# KiCad board kicad_chiffchaff.kicad_pcb
title: Chiffchaff; date: 2024-09-07; rev: v0.1; company: apfel
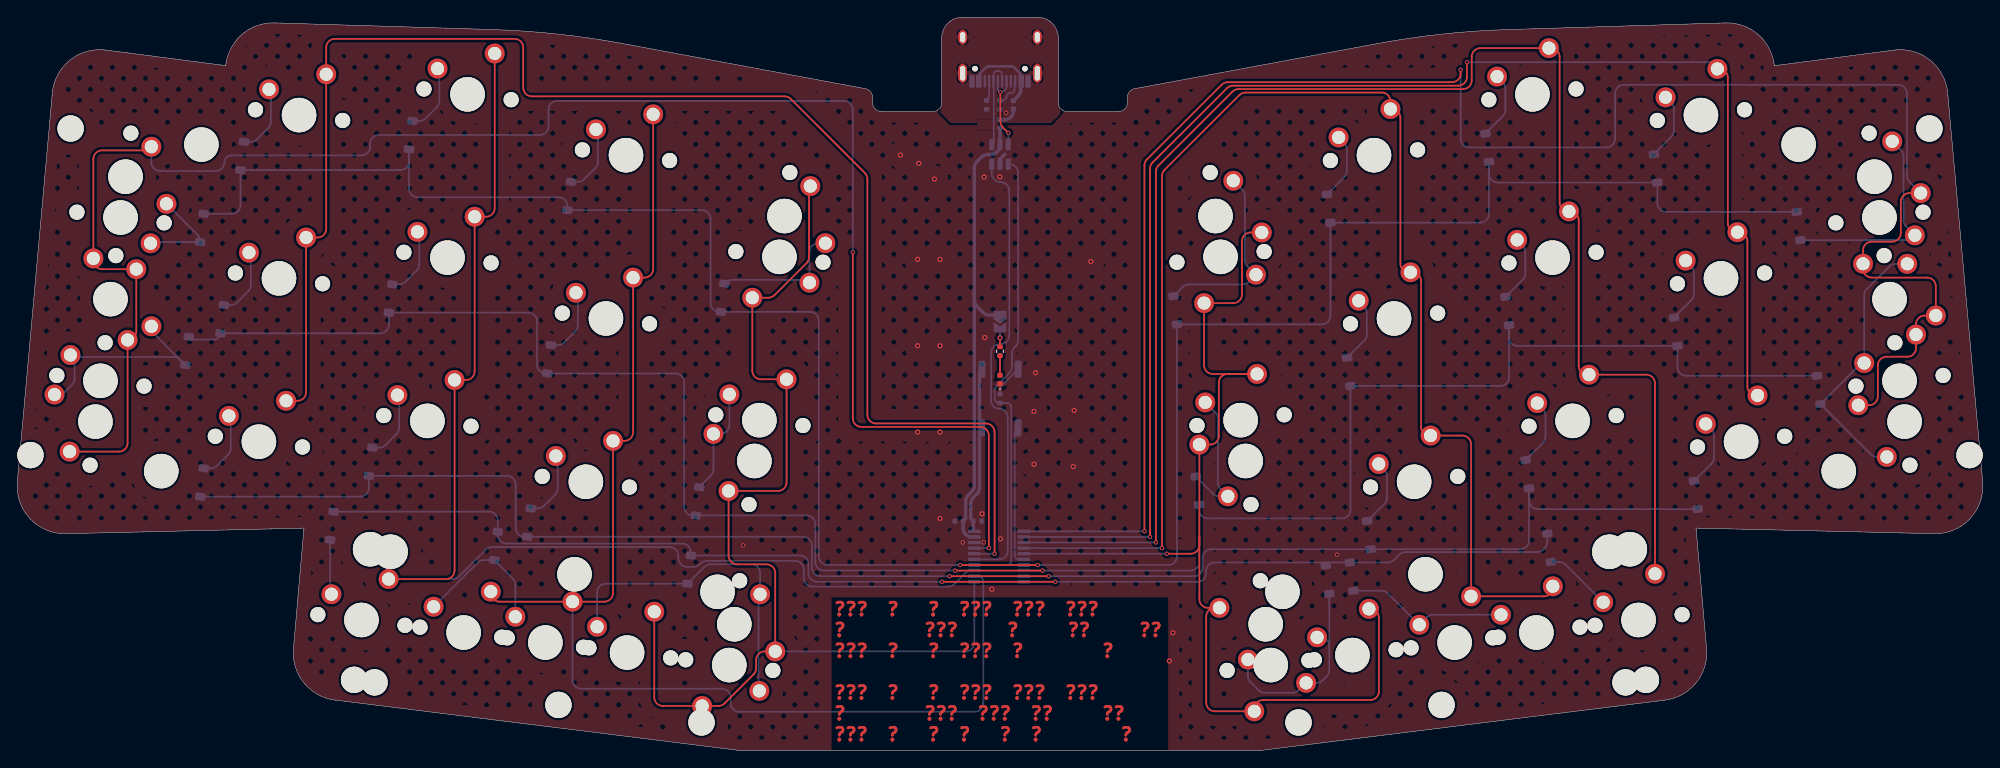
[diagram p0: board, top side]
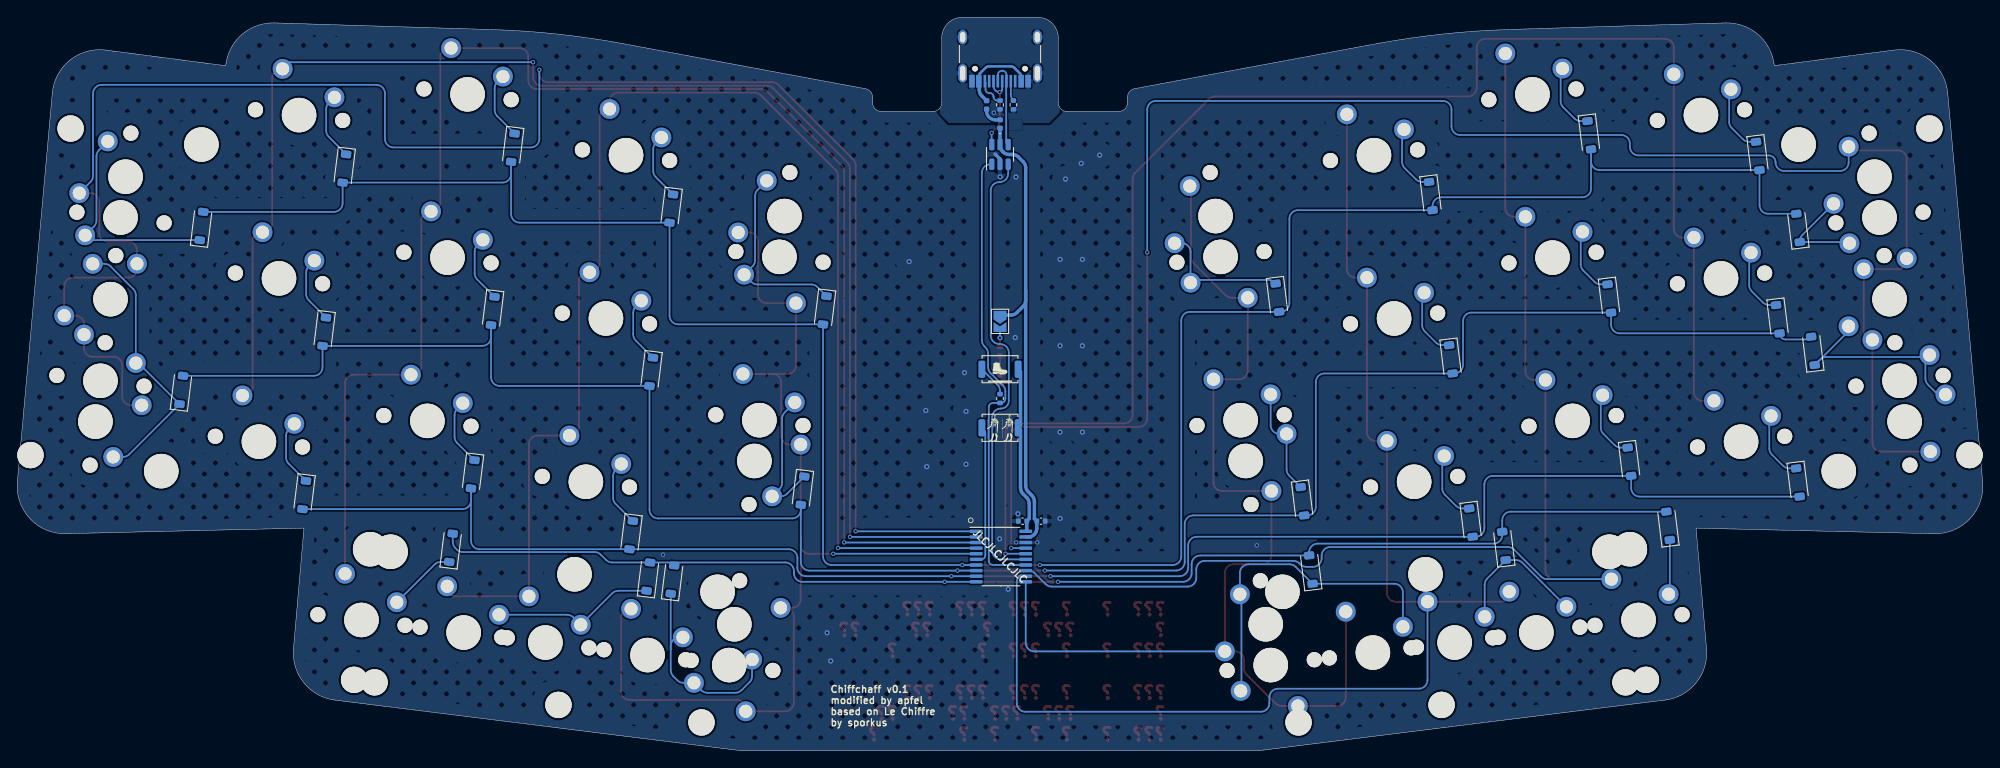
[diagram p1: board, bottom side, seen from below]

Outline 227.31 x 84.94 mm; copper layers: Top, Bottom. Coordinates in mm from the lower left corner of the outline.
Outline path: 70.07,81.88 arc(62.5,82.99) 54.86,83.51 29.74,84.28 arc(26.1,83.05) 24.16,79.72 24.09,79.33 10.24,81.14 arc(6.08,79.98) 4.05,76.18 0,31.12 arc(1.46,26.87) 5.61,25.13 33.15,25.78 31.94,11.8 arc(33.14,7.86) 36.74,5.86 83.78,0 113.65,0 143.53,0 190.57,5.86 arc(194.17,7.86) 195.37,11.8 194.16,25.78 221.7,25.13 arc(225.85,26.87) 227.31,31.12 223.26,76.18 arc(221.22,79.98) 217.07,81.14 203.22,79.33 203.15,79.72 arc(201.21,83.05) 197.56,84.28 172.45,83.51 arc(164.81,82.99) 157.23,81.88 ; 70.08,81.88 98.1,76.66 arc(98.68,76.32) 98.91,75.68 98.91,75.03 arc(99.21,74.32) 99.91,74.03 105.91,74.03 arc(106.62,74.32) 106.91,75.03 106.91,82.54 arc(107.62,84.23) 109.31,84.94 117.99,84.94 arc(119.69,84.23) 120.39,82.54 120.39,75.03 arc(120.69,74.32) 121.39,74.03 127.39,74.03 arc(128.1,74.32) 128.39,75.03 128.39,75.68 arc(128.63,76.32) 129.21,76.66 157.23,81.88
Stack: Top 0.035mm / dielectric 1.51mm FR4 er 4.5 / Bottom 0.035mm

## Placement (name value [footprint] x y rotation side)
boot  -  [LOGO]  113.66 44.15 180 bottom
C1  100nF  [C_0402_1005Metric]  108.91 26.59 180 bottom
C2  100nF  [C_0402_1005Metric]  111.04 26.59 0 bottom
D1  1N4148W  [D_SOD-123]  21.35 60.54 83 bottom
D2  1N4148W  [D_SOD-123]  26.01 68.88 263 bottom
D3  1N4148W  [D_SOD-123]  45.5 71.28 263 bottom
D4  1N4148W  [D_SOD-123]  63.83 64.24 263 bottom
D5  1N4148W  [D_SOD-123]  81.57 52.46 263 bottom
D6  1N4148W  [D_SOD-123]  133.92 51.01 277 bottom
D7  1N4148W  [D_SOD-123]  151.67 62.79 277 bottom
D8  1N4148W  [D_SOD-123]  170 69.84 277 bottom
D9  1N4148W  [D_SOD-123]  189.49 67.43 277 bottom
D10  1N4148W  [D_SOD-123]  206.02 60.77 97 bottom
D11  1N4148W  [D_SOD-123]  19.63 46.3 83 bottom
D12  1N4148W  [D_SOD-123]  23.69 49.97 263 bottom
D13  1N4148W  [D_SOD-123]  43.18 52.38 263 bottom
D14  1N4148W  [D_SOD-123]  61.51 45.33 263 bottom
D15  1N4148W  [D_SOD-123]  78.67 28.89 263 bottom
D16  1N4148W  [D_SOD-123]  136.49 30.12 277 bottom
D17  1N4148W  [D_SOD-123]  153.99 43.88 277 bottom
D18  1N4148W  [D_SOD-123]  172.32 50.93 277 bottom
D19  1N4148W  [D_SOD-123]  191.81 48.52 277 bottom
D20  1N4148W  [D_SOD-123]  208.35 41.78 97 bottom
D21  1N4148W  [D_SOD-123]  55.37 23.72 83 bottom
D22  1N4148W  [D_SOD-123]  21.37 31.06 263 bottom
D23  1N4148W  [D_SOD-123]  40.86 33.47 263 bottom
D24  1N4148W  [D_SOD-123]  59.18 26.42 263 bottom
D25  1N4148W  [D_SOD-123]  154.33 20.16 97 bottom
D27  1N4148W  [D_SOD-123]  156.31 24.97 277 bottom
D28  1N4148W  [D_SOD-123]  174.64 32.02 277 bottom
D29  1N4148W  [D_SOD-123]  194.13 29.62 277 bottom
D31  1N4148W  [D_SOD-123]  36.38 26.05 83 bottom
D32  1N4148W  [D_SOD-123]  77.7 20.98 83 bottom
D33  1N4148W  [D_SOD-123]  151.54 19.82 97 bottom
D34  1N4148W  [D_SOD-123]  177.15 23.5 97 bottom
D36  PWR LED  [LED_0402_1005Metric]  113.65 42.99 90 top
D37  PMEG2010EA  [D_0402_1005Metric]  113.65 72.58 90 bottom
F1  500mA  [Fuse_0402_1005Metric]  115.2 74.79 90 bottom
J1  USB_C_Receptacle  [USB_C_Receptacle_HRO_TYPE-C-31-M-12]  113.65 81.58 0 bottom
JP2  power led on/off  [SolderJumper-2_P1.3mm_Open_TrianglePad1.0x1.5mm]  113.65 49.72 270 bottom
R1  10k  [R_0402_1005Metric]  113.65 40.79 90 bottom
R2  1k  [R_0402_1005Metric]  113.65 46.27 270 top
R4  5.1k  [R_0402_1005Metric]  112.1 74.79 270 bottom
R5  5.1k  [R_0402_1005Metric]  113.65 74.79 270 bottom
S2  MX_stab  [STAB_MX_3u]  10.77 52.29 83 top
S3  MX_stab  [STAB_MX_3.25u]  61.07 12.53 173 top
S4  MX_stab  [STAB_MX_2.25u]  51.62 13.69 173 top
S5  MX_stab  [STAB_MX_3u]  216.53 52.29 277 top
S6  MX_stab  [STAB_MX_2.25u]  175.69 13.69 187 top
S7  MX_stab  [STAB_MX_3.25u]  166.24 12.53 187 top
seth  -  [LOGO]  112.79 37.39 180 bottom
seth#2  -  [LOGO]  114.5 37.39 180 bottom
SW1  SW_Push  [SW_MX_1u]  11.93 61.75 173 top
SW1b2  SW_Push  [SW_MX_1.5u]  12.51 66.47 263 top
SW2  SW_Push  [SW_MX_1u]  32.58 73.61 353 top
SW3  SW_Push  [SW_MX_1u]  52.07 76.01 353 top
SW4  SW_Push  [SW_MX_1u]  70.4 68.96 353 top
SW5  SW_Push  [SW_MX_1u]  88.15 57.19 173 top
SW5b2  SW_Push  [SW_MX_1.5u]  88.73 61.91 263 top
SW6  SW_Push  [SW_MX_1u]  139.16 57.19 187 top
SW6b2  SW_Push  [SW_MX_1.5u]  138.58 61.91 277 top
SW7  SW_Push  [SW_MX_1u]  156.91 68.96 7 top
SW8  SW_Push  [SW_MX_1u]  175.24 76.01 7 top
SW9  SW_Push  [SW_MX_1u]  194.72 73.61 7 top
SW10  SW_Push  [SW_MX_1u]  215.37 61.75 187 top
SW10b2  SW_Push  [SW_MX_1.5u]  214.79 66.47 277 top
SW11  SW_Push  [SW_MX_1u]  9.61 42.84 353 top
SW11b2  SW_Push  [SW_MX_1.5u]  9.03 38.11 83 top
SW11c2  SW_Push  [SW_MX_1u]  10.77 52.29 263 top
SW12  SW_Push  [SW_MX_1u]  30.26 54.7 353 top
SW13  SW_Push  [SW_MX_1u]  49.75 57.1 353 top
SW14  SW_Push  [SW_MX_1u]  68.08 50.06 353 top
SW15  SW_Push  [SW_MX_1u]  85.82 38.28 353 top
SW15b2  SW_Push  [SW_MX_1.5u]  85.24 33.55 83 top
SW16  SW_Push  [SW_MX_1u]  141.48 38.28 7 top
SW16b2  SW_Push  [SW_MX_1.5u]  142.06 33.55 97 top
SW17  SW_Push  [SW_MX_1u]  159.23 50.06 7 top
SW18  SW_Push  [SW_MX_1u]  177.56 57.1 7 top
SW19  SW_Push  [SW_MX_1u]  197.05 54.7 7 top
SW20  SW_Push  [SW_MX_1u]  217.7 42.84 7 top
SW20b2  SW_Push  [SW_MX_1.5u]  218.28 38.11 97 top
SW20c2  SW_Push  [SW_MX_1u]  216.53 52.29 277 top
SW22  SW_Push  [SW_MX_1u]  27.94 35.79 353 top
SW23  SW_Push  [SW_MX_1u]  47.43 38.2 353 top
SW24  SW_Push  [SW_MX_1u]  65.76 31.15 353 top
SW27  SW_Push  [SW_MX_1u]  161.55 31.15 7 top
SW28  SW_Push  [SW_MX_1u]  179.88 38.2 7 top
SW29  SW_Push  [SW_MX_1u]  199.37 35.79 7 top
SW31  SW_Push  [SW_MX_1u]  39.8 15.14 353 top
SW32  SW_Push  [SW_MX_1.25u]  61.07 12.53 353 top
SW32b2  SW_Push  [SW_MX_1u]  51.62 13.69 353 top
SW33  SW_Push  [SW_MX_1u]  82.34 9.92 173 top
SW33b2  SW_Push  [SW_MX_1.5u]  82.92 14.64 263 top
SW33c2  SW_Push  [SW_MX_1u]  70.53 11.37 353 top
SW34  SW_Push  [SW_MX_1u]  144.97 9.92 187 top
SW34b2  SW_Push  [SW_MX_1.5u]  144.39 14.64 97 top
SW34c2  SW_Push  [SW_MX_1u]  154.42 11.08 7 top
SW35  SW_Push  [SW_MX_1.25u]  166.24 12.53 7 top
SW35b2  SW_Push  [SW_MX_1u]  175.69 13.69 7 top
SW36  SW_Push  [SW_MX_1u]  187.51 15.14 7 top
SW37  BOOT  [SW_Push_SPST_NO_Alps_SKRK]  113.65 44.18 180 bottom
SW38  RESET  [SW_Push_SPST_NO_Alps_SKRK]  113.65 37.4 180 bottom
U1  ~  [TSSOP-20_4.4x6.5mm_P0.65mm]  113.54 22.48 180 bottom
U2  USBLC6-2SC6  [SOT-23-6]  113.65 69.06 90 bottom

## Library data of the parts
C1 C2 = -: Description: Unpolarized capacitor
D1-D5 D11-D15 D21-D25 D31 D32 = -: Description: 100V 0.15A standard switching diode, DO-35; JlcRotOffset: 14
D6-D10 D16-D20 D27-D29 D33 D34 = -: Description: 100V 0.15A standard switching diode, DO-35; JlcRotOffset: -14
D36 = -: Description: Light emitting diode
D37 = -: Description: Schottky diode
F1 = -: Description: Resettable fuse, polymeric positive temperature coefficient, small symbol
J1 = -: Description: USB Full-Featured Type-C Receptacle connector
JP2 = -: Description: Solder Jumper, 2-pole, open
R1 R2 R4 R5 = -: Description: Resistor
S2-S7 = -: Description: Cherry MX-style stabilizer
SW1 SW1b2 SW2-SW5 SW5b2 SW6 SW6b2 SW7-SW10 SW10b2 SW11 SW11b2 SW11c2 SW12-SW15 SW15b2 SW16 SW16b2 SW17-SW20 SW20b2 SW20c2 SW22-SW24 SW27-SW29 SW31 SW32 SW32b2 SW33 SW33b2 SW33c2 SW34 SW34b2 SW34c2 SW35 SW35b2 SW36 = -: Description: Push button switch, generic, two pins; exclude_pcba: true
SW37 SW38 = -: Description: Push button switch, generic, two pins
U2 = -: Description: Very low capacitance ESD protection diode, 2 data-line, SOT-23-6

## Footprints (pads in the part's own frame, mm; a bottom-side part is the same pattern mirrored in y, then rotated)
C_0402_1005Metric
  rrect 0.56x0.62 smd: 1(-0.48,0) 2(0.48,0)
D_0402_1005Metric
  rrect 0.59x0.64 smd: 1(-0.485,0) 2(0.485,0)
D_SOD-123
  rrect 0.9x1.2 smd: 1(-1.65,0) 2(1.65,0)
Fuse_0402_1005Metric
  rrect 0.59x0.64 smd: 1(-0.485,0) 2(0.485,0)
LED_0402_1005Metric
  rrect 0.59x0.64 smd: 1(-0.485,0) 2(0.485,0)
R_0402_1005Metric
  rrect 0.54x0.64 smd: 1(-0.51,0) 2(0.51,0)
SolderJumper-2_P1.3mm_Open_TrianglePad1.0x1.5mm
  custom 1.5x1.5 smd: 1(-0.725,0)
  custom 1.15x1.5 smd: 2(0.725,0)
SOT-23-6
  rrect 1.325x0.6 smd: 1(-1.137,0.95) 2(-1.137,0) 3(-1.137,-0.95) 4(1.137,-0.95) 5(1.137,0) 6(1.137,0.95)
STAB_MX_2.25u
  round 3.048 hole 3.048 unplated: (-11.906,6.985) (11.906,6.985)
  round 3.988 hole 3.988 unplated: (-11.906,-8.255) (11.906,-8.255)
STAB_MX_3.25u
  round 3.048 hole 3.048 unplated: (-19.05,6.985) (19.05,6.985)
  round 3.988 hole 3.988 unplated: (-19.05,-8.255) (19.05,-8.255)
STAB_MX_3u
  round 3.048 hole 3.048 unplated: (-19.05,6.985) (19.05,6.985)
  round 3.988 hole 3.988 unplated: (-19.05,-8.255) (19.05,-8.255)
SW_MX_1.5u
  round 1.75 hole 1.75 unplated: (-5.08,0) (5.08,0)
  round 3.988 hole 3.988 unplated: (0,0)
  round 2.3 hole 1.524: 1(-3.81,2.54) 2(2.54,5.08)
SW_MX_1.25u
  round 1.75 hole 1.75 unplated: (-5.08,0) (5.08,0)
  round 3.988 hole 3.988 unplated: (0,0)
  round 2.3 hole 1.524: 1(-3.81,2.54) 2(2.54,5.08)
SW_MX_1u
  round 1.75 hole 1.75 unplated: (-5.08,0) (5.08,0)
  round 3.988 hole 3.988 unplated: (0,0)
  round 2.3 hole 1.524: 1(-3.81,2.54) 2(2.54,5.08)
SW_Push_SPST_NO_Alps_SKRK
  rrect 0.8x2 smd: 1(-2.1,0) 2(2.1,0)
TSSOP-20_4.4x6.5mm_P0.65mm
  rrect 1.475x0.4 smd: 1(-2.862,2.925) 2(-2.862,2.275) 3(-2.862,1.625) 4(-2.862,0.975) 5(-2.862,0.325) 6(-2.862,-0.325) 7(-2.862,-0.975) 8(-2.862,-1.625) 9(-2.862,-2.275) 10(-2.862,-2.925) 11(2.862,-2.925) 12(2.862,-2.275) 13(2.862,-1.625) 14(2.862,-0.975) 15(2.862,-0.325) 16(2.862,0.325) 17(2.862,0.975) 18(2.862,1.625) 19(2.862,2.275) 20(2.862,2.925)
USB_C_Receptacle_HRO_TYPE-C-31-M-12
  round 0.65 hole 0.65 unplated: (-2.89,2.6) (2.89,2.6)
  rect 0.6x1.45 smd: A1(-3.25,4.045) A4(-2.45,4.045) A9(2.45,4.045) A12(3.25,4.045) B1(3.25,4.045) B4(2.45,4.045) B9(-2.45,4.045) B12(-3.25,4.045)
  rect 0.3x1.45 smd: A5(-1.25,4.045) A6(-0.25,4.045) A7(0.25,4.045) A8(1.25,4.045) B5(1.75,4.045) B6(0.75,4.045) B7(-0.75,4.045) B8(-1.75,4.045)
  oval 1x1.6 hole 0.6x1.2: S1(-4.32,-1.05) S1(4.32,-1.05)
  oval 1x2.1 hole 0.6x1.7: S1(-4.32,3.13) S1(4.32,3.13)

## Nets
+3.3V: C2.1 SW37.2 SW38.2 U1.20
GND: C1.2 C2.2 D36.1 J1.A1 J1.A12 J1.B1 J1.B12 J1.S1 R4.2 R5.2 U1.18 U2.2
VBUS: F1.2 J1.A4 J1.A9 J1.B4 J1.B9
VCC: C1.1 D37.1 JP2.1 U1.19 U2.5
BOOT: R1.2 SW37.1
CC1: J1.A5 R4.1
CC2: J1.B5 R5.1
P1.0: D1.2 D2.2 D3.2 D4.2 D5.2 D6.2 D7.2 D8.2 D9.2 D10.2 U1.7
P1.1_A0: D11.2 D12.2 D13.2 D14.2 D15.2 D16.2 D17.2 D18.2 D19.2 D20.2 U1.8
P1.2: SW1.2 SW1b2.1 SW11.2 SW11b2.1 SW11c2.1 U1.17
P1.3: SW2.2 SW12.2 SW22.2 U1.16
P1.4_CS: SW9.2 SW19.2 SW29.2 U1.2
P1.5_MOSI: SW8.2 SW18.2 SW28.2 SW36.2 U1.3
P1.6_MISO: SW7.2 SW17.2 SW27.2 SW35.2 SW35b2.2 U1.4
P1.7_SCK: SW6.2 SW6b2.2 SW16.2 SW16b2.2 SW34.2 SW34b2.2 SW34c2.2 U1.5
P3.0_RX: D21.2 D25.2 D31.2 D32.2 D33.2 D34.2 U1.10
P3.1_TX: D22.2 D23.2 D24.2 D27.2 D28.2 D29.2 U1.9
P3.2_A3: SW10.2 SW10b2.2 SW20.2 SW20b2.2 SW20c2.2 U1.1
P3.3: SW5.2 SW5b2.1 SW15.2 SW15b2.1 SW33.2 SW33b2.2 SW33c2.2 U1.11
P3.4: SW4.2 SW14.2 SW24.2 SW32.2 SW32b2.2 U1.12
P3.5: SW3.2 SW13.2 SW23.2 SW31.2 U1.13
PORT+: J1.A6 J1.B6 U2.6
PORT-: J1.A7 J1.B7 U2.4
RST: SW38.1 U1.6
sw1: D1.1 SW1.1 SW1b2.2
sw5: D5.1 SW5.1 SW5b2.2
sw6: D6.1 SW6.1 SW6b2.1
sw10: D10.1 SW10.1 SW10b2.1
sw11: D11.1 SW11.1 SW11b2.2 SW11c2.2
sw15: D15.1 SW15.1 SW15b2.2
sw16: D16.1 SW16.1 SW16b2.1
sw20: D20.1 SW20.1 SW20b2.1 SW20c2.1
UDM: U1.15 U2.3
UDP: R1.1 U1.14 U2.1
Net-(D2-K): D2.1 SW2.1
Net-(D3-K): D3.1 SW3.1
Net-(D4-K): D4.1 SW4.1
Net-(D7-K): D7.1 SW7.1
Net-(D8-K): D8.1 SW8.1
Net-(D9-K): D9.1 SW9.1
Net-(D12-K): D12.1 SW12.1
Net-(D13-K): D13.1 SW13.1
Net-(D14-K): D14.1 SW14.1
Net-(D17-K): D17.1 SW17.1
Net-(D18-K): D18.1 SW18.1
Net-(D19-K): D19.1 SW19.1
Net-(D21-K): D21.1 SW32.1 SW32b2.1
Net-(D22-K): D22.1 SW22.1
Net-(D23-K): D23.1 SW23.1
Net-(D24-K): D24.1 SW24.1
Net-(D25-K): D25.1 SW35.1 SW35b2.1
Net-(D27-K): D27.1 SW27.1
Net-(D28-K): D28.1 SW28.1
Net-(D29-K): D29.1 SW29.1
Net-(D31-K): D31.1 SW31.1
Net-(D32-K): D32.1 SW33.1 SW33b2.1 SW33c2.1
Net-(D33-K): D33.1 SW34.1 SW34b2.1 SW34c2.1
Net-(D34-K): D34.1 SW36.1
Net-(D36-A): D36.2 R2.2
Net-(D37-A): D37.2 F1.1
Net-(JP2-B): JP2.2 R2.1

Pads without a net: J1 A8 B8

## Via types
v1: diameter 0.6, hole 0.3, Top to Bottom, 25 vias
v2: diameter 0.5, hole 0.3, Top to Bottom, 25 vias

## Routing (per net, layer and track width the routed paths; a pad name or vN(x,y) marks a point on that pad's centre or on a via; arc(x,y) is an arc through that point)
+3.3V: length 19.6
  Bottom w0.4: U1.20 110.56,25.53 C2.1 110.27,26.88 110.27,28.61 arc(110.35,29) 110.57,29.32 110.99,29.74 arc(111.21,30.07) 111.28,30.45 111.28,37.13 SW38.2 111.28,37.67 111.28,43.91 SW37.2
GND: length 1.4
  Bottom w0.4: 114.23,69.11 113.65,68.53 U2.2
  vias: v1(102.13,68.97) v1(104.13,56.9) v1(104.13,46.9) v1(104.13,36.9) v1(104.26,68.02) v1(106.08,66.2) v1(106.7,56.9) v1(106.7,46.9) v1(106.7,36.9) v1(106.7,26.9) v1(111.58,27.44) v1(111.81,66.44) v1(111.89,47.86) v1(112.7,18.7) v1(113.63,66.46) v1(113.7,24.54) v1(117.58,39.3) v1(117.58,33.17) v1(117.76,43.78) v1(122.13,32.9) v1(122.23,39.4) v1(124.15,56.65) v1(133.24,10.39) v1(133.65,13.66) v2(83.95,23.78) v2(109.34,24.12) v2(111.78,24.12) v2(114.37,73.88) v2(152.63,22.7)
VBUS: length 10
  Bottom w0.3: J1.A9 116.1,78.1 arc(116.06,78.29) 115.96,78.45 115.31,79.1 arc(115.14,79.21) 114.95,79.25 112.37,79.25 arc(112.18,79.21) 112.01,79.1 111.35,78.44 arc(111.24,78.28) 111.2,78.08 J1.A4
  Bottom w0.4: F1.2 115.76,75.83 arc(115.98,76.15) 116.05,76.53 116.05,77.89
VCC: length 55.2
  Bottom w0.4: 110.68,53.22 110.68,67.5 arc(110.76,67.88) 110.98,68.21 111.52,68.75 arc(111.85,68.97) 112.23,69.05 112.59,69.05 arc(112.97,69.12) 113.29,69.34 113.36,69.41 arc(113.58,69.73) 113.65,70.11 ; 110.68,53.22 110.68,52.17 arc(110.76,51.79) 110.98,51.46 111.7,50.73 arc(112.03,50.52) 112.41,50.44 JP2.1 ; 110.68,53.22 110.68,30.7 arc(110.61,30.32) 110.39,29.99 109.97,29.57 arc(109.75,29.24) 109.67,28.86 109.67,26.87 C1.1 109.39,25.76 arc(109.69,25.05) 110.39,24.76 U1.19 ; D37.1 U2.5
BOOT: length 3.7
  Bottom w0.2: R1.2 113.65,41.67 arc(113.73,42.05) 113.95,42.37 SW37.1
CC1: length 2.7
  Bottom w0.2: 112.4,77.89 112.4,76.01 arc(112.33,75.63) 112.11,75.3
CC2: length 3.4
  Bottom w0.2: R5.1 114,75.3 arc(114.29,75.41) 114.4,75.7 114.4,75.75 arc(114.52,76.04) 114.8,76.15 114.93,76.15 arc(115.21,76.27) 115.33,76.55 115.33,77.38 115.4,77.46
P1.0: length 288.4
  Top w0.2: v2(109.05,21.51) v2(118.01,21.51)
  Bottom w0.2: D10.2 190.69,62.4 arc(189.98,62.7) 189.69,63.4 D9.2 171.2,65.79 arc(170.49,66.09) 170.2,66.79 D8.2 170.2,62.15 arc(169.91,61.44) 169.2,61.15 D7.2 151.87,50.38 arc(151.58,49.67) 150.87,49.38 D6.2 134.12,22.51 arc(133.83,21.8) 133.12,21.51 U1.7 ; D1.2 24.81,62.18 arc(25.52,62.48) 25.81,63.18 D2.2 44.3,67.24 arc(45.01,67.53) 45.3,68.24 D3.2 45.3,65.09 arc(45.59,64.38) 46.3,64.09 62.63,64.09 arc(63.33,63.8) 63.63,63.09 D4.2 79.18,62.6 arc(79.89,62.3) 80.18,61.6 80.18,51.82 arc(80.48,51.12) 81.18,50.82 D5.2 91.69,50.82 arc(92.4,50.53) 92.69,49.82 92.69,22.51 arc(92.98,21.8) 93.69,21.51 v2(109.05,21.51)
P1.1_A0: length 255.1
  Top w0.2: v2(108.46,20.86) v2(118.57,20.86)
  Bottom w0.2: D20.2 193.01,43.42 arc(192.3,43.71) 192.01,44.42 D19.2 173.52,46.89 arc(172.81,47.18) 172.52,47.89 D18.2 172.52,43.24 arc(172.23,42.54) 171.52,42.24 D17.2 154.19,27.9 arc(153.9,27.2) 153.19,26.9 137.69,26.9 arc(136.98,27.2) 136.69,27.9 D16.2 136.69,21.86 arc(136.4,21.15) 135.69,20.86 U1.8 ; v2(108.46,20.86) 108.45,20.87 93.29,20.87 arc(92.58,21.16) 92.29,21.87 92.29,26.25 arc(92,26.95) 91.29,27.25 D15.2 78.12,27.25 arc(77.42,27.54) 77.12,28.25 77.12,42.69 arc(76.83,43.4) 76.12,43.69 D14.2 61.1,43.69 arc(60.4,43.98) 60.1,44.69 60.1,49.74 arc(59.81,50.45) 59.1,50.74 D13.2 42.98,49.33 arc(42.68,48.63) 41.98,48.33 D12.2 23.49,48.32 arc(23.28,47.83) 22.79,47.62 20.57,47.62 arc(20.18,47.7) 19.86,47.91 D11.2
P1.2: length 209.7
  Top w0.2: SW1b2.1 15.37,69.82 arc(15.04,69.6) 14.66,69.52 9.79,69.52 arc(9.09,69.23) 8.79,68.52 SW1.2 8.79,56.77 arc(9.09,56.06) 9.79,55.77 SW11c2.1 13.76,48.57 arc(13.47,47.86) 12.76,47.57 SW11.2 12.75,35.64 arc(12.46,34.93) 11.75,34.64 SW11b2.1 ; v2(96.63,57.71) 96.63,38.5 arc(96.92,37.79) 97.63,37.5 111.36,37.5 arc(112.07,37.21) 112.36,36.5 v2(112.36,23.46)
  Bottom w0.2: U1.17 110.69,23.46 v2(112.36,23.46) ; v2(96.63,57.71) 96.63,74.25 arc(96.34,74.95) 95.63,75.25 62.43,75.25 arc(61.73,74.95) 61.43,74.25 61.43,72.3 arc(61.14,71.6) 60.43,71.3 41.8,71.3 arc(41.1,71.01) 40.8,70.3 40.8,69.94 arc(40.51,69.24) 39.8,68.94 24.75,68.94 arc(24.19,68.71) 23.95,68.14 23.95,68.13 arc(23.66,67.43) 22.95,67.13 16.5,67.13 arc(15.79,67.43) 15.5,68.13 SW1b2.1
P1.3: length 177.4
  Top w0.2: v2(113.03,22.81) 113.03,36.9 arc(112.73,37.61) 112.03,37.9 99.32,37.9 arc(98.61,38.19) 98.32,38.9 98.32,66.21 arc(98.24,66.59) 98.02,66.91 89.45,75.48 arc(89.13,75.7) 88.75,75.78 59.51,75.78 arc(58.8,76.07) 58.51,76.78 58.51,81.44 arc(58.22,82.14) 57.51,82.44 36.72,82.44 arc(36.02,82.14) 35.72,81.44 SW2.2 35.72,60.43 arc(35.43,59.72) 34.72,59.43 SW12.2 33.4,41.52 arc(33.11,40.82) 32.4,40.52 SW22.2
  Bottom w0.2: v2(113.03,22.81) 113.02,22.81 U1.16
P1.4_CS: length 170.8
  Top w0.2: v2(131,24.76) 131,67.41 arc(131.08,67.79) 131.3,68.12 139.91,76.73 arc(140.23,76.94) 140.61,77.02 166.66,77.02 arc(167.37,77.31) 167.66,78.02 v2(167.66,79.73) ; SW29.2 201.1,41.14 arc(200.39,41.43) 200.1,42.14 200.1,59.05 arc(199.81,59.76) 199.1,60.05 SW19.2 198.83,60.05 arc(198.13,60.34) 197.83,61.05 197.83,77.96 arc(197.54,78.67) 196.83,78.96 SW9.2
  Bottom w0.2: v2(131,24.76) 131,24.76 U1.2 ; v2(167.66,79.73) 196.63,79.73 SW9.2
P1.5_MOSI: length 182.7
  Top w0.2: v2(131.68,24.12) 131.68,67.05 arc(131.76,67.44) 131.98,67.76 140.54,76.33 arc(140.87,76.54) 141.25,76.62 167.21,76.62 arc(167.92,76.91) 168.21,77.62 168.21,80.36 arc(168.51,81.07) 169.21,81.36 SW8.2 177.38,81.36 arc(178.09,81.07) 178.38,80.36 178.38,63.46 arc(178.68,62.75) 179.38,62.46 SW18.2 179.58,62.46 arc(180.29,62.16) 180.58,61.46 180.58,44.55 arc(180.88,43.84) 181.58,43.55 SW28.2 188.41,43.55 arc(189.12,43.25) 189.41,42.55 SW36.2
  Bottom w0.2: v2(131.68,24.12) 131.67,24.11 U1.3
P1.6_MISO: length 164.9
  Top w0.2: v2(132.39,23.47) 132.39,66.56 arc(132.47,66.94) 132.69,67.27 141.35,75.93 arc(141.67,76.14) 142.05,76.22 157.81,76.22 arc(158.52,75.93) 158.81,75.22 SW7.2 158.96,74.31 arc(159.67,74.02) 159.96,73.31 159.96,56.41 arc(160.25,55.7) 160.96,55.41 SW17.2 161.35,55.41 arc(162.06,55.11) 162.35,54.41 162.35,37.5 arc(162.65,36.79) 163.35,36.5 SW27.2 167.14,36.5 arc(167.85,36.21) 168.14,35.5 SW35.2 176.59,17.88 arc(177.3,18.17) 177.59,18.88 SW35b2.2
  Bottom w0.2: U1.4 132.38,23.46 v2(132.39,23.47)
P1.7_SCK: length 128.9
  Top w0.2: 136.71,24.75 SW16b2.2 137.96,35.45 arc(138.67,35.75) 138.96,36.45 138.96,42.63 arc(139.26,43.34) 139.96,43.63 SW16.2 138.26,43.63 arc(137.55,43.92) 137.26,44.63 SW6.2 140.64,51.84 arc(141.35,52.13) 141.64,52.84 141.64,59.01 arc(141.94,59.72) 142.64,60.01 SW6b2.2 ; 136.71,24.75 136.71,23.81 arc(136.42,23.1) 135.71,22.81 v2(132.94,22.81) ; 136.71,24.75 136.71,17.55 arc(137,16.84) 137.71,16.55 SW34b2.2 138.5,16.55 arc(137.8,16.25) 137.5,15.55 137.5,5.57 arc(137.8,4.86) 138.5,4.57 SW34.2 143.06,4.87 arc(143.36,5.58) 144.06,5.87 156.47,5.87 arc(157.18,6.16) 157.47,6.87 157.47,15.43 arc(157.18,16.14) 156.47,16.43 SW34c2.2
  Bottom w0.2: U1.5 v2(132.94,22.81)
P3.0_RX: length 153.8
  Top w0.2: v2(106.94,19.56) v2(120.05,19.56)
  Bottom w0.2: D31.2 54.57,27.69 arc(55.27,27.39) 55.57,26.69 D21.2 55.57,24.99 arc(55.86,24.28) 56.57,23.99 76.9,23.99 arc(77.61,23.69) 77.9,22.99 D32.2 90.49,22.61 arc(91.2,22.32) 91.49,21.61 91.49,20.56 arc(91.78,19.85) 92.49,19.56 v2(106.94,19.56) ; D34.2 176.95,24.19 arc(176.88,23.81) 176.66,23.48 176.48,23.3 arc(176.15,23.08) 175.77,23.01 160.55,23.01 arc(160.16,22.93) 159.84,22.71 159.22,22.09 arc(158.89,21.88) 158.51,21.8 D25.2 152.09,21.8 arc(151.71,21.73) 151.39,21.51 D33.2 151.34,21.8 138.49,21.8 arc(137.78,21.51) 137.49,20.8 137.49,20.56 arc(137.2,19.85) 136.49,19.56 v2(120.05,19.56) U1.10
P3.1_TX: length 198.8
  Top w0.2: v2(107.81,20.21) v2(119.28,20.21)
  Bottom w0.2: D22.2 39.65,29.43 arc(40.36,29.72) 40.65,30.43 D23.2 56.64,31.83 arc(57.34,31.54) 57.64,30.83 57.64,25.78 arc(57.93,25.07) 58.64,24.78 D24.2 90.89,24.78 arc(91.6,24.49) 91.89,23.78 91.89,21.21 arc(92.18,20.5) 92.89,20.21 v2(107.81,20.21) ; D29.2 175.84,27.98 arc(175.14,28.27) 174.84,28.98 D28.2 174.84,24.33 arc(174.55,23.63) 173.84,23.33 D27.2 138.09,23.33 arc(137.38,23.04) 137.09,22.33 137.09,21.21 arc(136.8,20.5) 136.09,20.21 U1.9
P3.2_A3: length 222.1
  Top w0.2: SW20b2.2 214.18,40.01 arc(214.89,40.31) 215.18,41.01 215.18,44.62 arc(215.48,45.33) 216.18,45.62 218.6,45.62 arc(219.3,45.92) 219.6,46.62 SW20.2 219.6,49.39 arc(219.89,50.1) 220.6,50.39 SW20c2.2 221.89,53.79 arc(221.59,54.5) 220.89,54.79 214.47,54.79 arc(213.76,55.09) 213.47,55.79 SW10.2 213.47,57.95 arc(213.76,58.66) 214.47,58.95 216.84,58.95 arc(217.55,59.25) 217.84,59.95 217.84,63.57 arc(218.14,64.28) 218.84,64.57 SW10b2.2 ; v2(166.93,78.85) 166.93,78.42 arc(166.64,77.71) 165.93,77.42 140,77.42 arc(139.62,77.34) 139.3,77.13 130.65,68.48 arc(130.43,68.15) 130.35,67.77 v2(130.35,25.41)
  Bottom w0.2: v2(130.35,25.41) 130.35,25.41 U1.1 ; SW10b2.2 218.85,65.87 arc(218.63,66.19) 218.56,66.58 218.56,76.11 arc(218.26,76.82) 217.56,77.11 185.79,77.11 arc(185.09,76.82) 184.79,76.11 184.79,70.86 arc(184.5,70.16) 183.79,69.86 167.93,69.86 arc(167.23,70.16) 166.93,70.86 v2(166.93,78.85)
P3.3: length 130.9
  Top w0.2: SW33c2.2 73.67,6.18 arc(73.96,5.48) 74.67,5.18 SW33.2 81.08,5.18 arc(81.46,5.26) 81.79,5.48 85.15,8.84 arc(85.37,9.16) 85.44,9.55 85.44,10.5 arc(85.74,11.21) 86.44,11.5 SW33b2.2 87.66,20.59 arc(87.36,21.29) 86.66,21.59 83.26,21.59 arc(82.55,21.88) 82.26,22.59 SW15b2.1 87.96,30.08 arc(88.67,30.37) 88.96,31.08 SW15.2 86.01,43.01 arc(85.3,43.31) 85.01,44.01 SW5.2 86.85,52.45 arc(87.23,52.53) 87.56,52.75 91.27,56.46 arc(91.49,56.78) 91.56,57.17 91.56,65.24 SW5b2.1
  Bottom w0.2: SW33b2.2 109.68,11.5 arc(110.39,11.8) 110.68,12.5 U1.11
P3.4: length 149.7
  Top w0.2: SW32b2.2 54.76,18.26 arc(55.05,17.55) 55.76,17.26 SW32.2 67.9,17.26 arc(68.6,17.55) 68.9,18.26 SW24.2 70.22,35.88 arc(70.92,36.17) 71.22,36.88 SW14.2 72.54,54.79 arc(73.25,55.08) 73.54,55.79 SW4.2
  Bottom w0.2: SW32.2 64.21,8.18 arc(64.5,7.48) 65.21,7.18 81.49,7.18 arc(82.2,6.89) 82.49,6.18 82.49,5.51 arc(82.79,4.81) 83.49,4.51 110.72,4.51 arc(111.43,4.81) 111.72,5.51 111.72,19.5 arc(111.64,19.88) 111.43,20.2 111.42,20.21 U1.12
P3.5: length 145.5
  Top w0.2: SW31.2 49.57,19.87 arc(50.28,20.17) 50.57,20.87 SW23.2 51.89,42.93 arc(52.6,43.22) 52.89,43.93 SW13.2 54.21,61.84 arc(54.92,62.13) 55.21,62.84 SW3.2
  Bottom w0.2: SW31.2 50.36,19.87 arc(50.75,19.95) 51.07,20.17 54.2,23.29 arc(54.52,23.51) 54.9,23.59 75.45,23.59 arc(76.16,23.29) 76.45,22.59 76.45,22.29 arc(76.75,21.59) 77.45,21.29 78.21,21.29 arc(78.59,21.37) 78.92,21.59 79.03,21.7 arc(79.35,21.91) 79.73,21.99 89.96,21.99 arc(90.66,21.7) 90.96,20.99 90.96,19.91 arc(91.28,19.27) 91.95,19.01 107.68,19.01 arc(108.06,19.09) 108.39,19.3 109.65,20.57 arc(109.98,20.78) 110.36,20.86 U1.13
PORT+: length 9.9
  Top w0.2: v2(113.69,76.27) 113.69,72.89 arc(113.77,72.51) 113.99,72.18 v2(114.62,71.55)
  Bottom w0.2: 114.4,77.89 114.4,76.97 arc(114.2,76.47) 113.7,76.27 v2(113.69,76.27) 113.69,76.27 arc(113.49,76.35) 113.4,76.56 J1.A6 ; v2(114.62,71.55) 114.62,70.21
PORT-: length 10.1
  Bottom w0.2: U2.4 112.93,70.42 112.93,77.86 ; 112.9,77.89 112.9,78.25 arc(113.05,78.6) 113.4,78.75 arc(113.76,78.6) 113.9,78.25 113.9,77.89
RST: length 16.2
  Bottom w0.2: U1.6 115.85,22.16 arc(115.5,22.31) 115.35,22.66 115.35,36.79 arc(115.39,36.98) 115.5,37.14 SW38.1
sw1: length 11.8
  Bottom w0.2: SW1.1 15.55,58.91 D1.1 21.15,59.02 arc(21.07,59.4) 20.86,59.72 SW1b2.2
sw5: length 16.1
  Bottom w0.2: SW5b2.2 92.62,58.77 arc(91.91,58.48) 91.62,57.77 SW5.1 91.59,54.23 arc(91.26,54.45) 90.88,54.53 82.62,54.53 arc(82.24,54.45) 81.91,54.23 D5.1
sw6: length 22.3
  Bottom w0.2: SW6b2.1 141.69,64.96 arc(141.9,64.63) 141.98,64.25 141.98,56.82 arc(142.06,56.43) 142.27,56.11 SW6.1 142.41,54.29 arc(142.09,54.07) 141.7,54 135.48,54 arc(135.1,53.92) 134.78,53.7 D6.1
sw10: length 25.3
  Bottom w0.2: SW10b2.1 217.86,69.55 arc(218.08,69.23) 218.16,68.85 218.16,61.41 arc(218.23,61.03) 218.45,60.71 SW10.1 219.2,59.42 arc(218.87,59.2) 218.49,59.13 D10.1
sw11: length 25.9
  Bottom w0.2: SW11c2.2 15.51,49 arc(15.58,48.62) 15.8,48.3 D11.1 18.8,45.3 arc(18.47,45.51) 18.09,45.59 6.37,45.59 SW11.1 6.34,45.63 arc(6.55,45.3) 6.63,44.92 6.63,43.11 arc(6.55,42.73) 6.34,42.4 5.48,41.55 arc(5.15,41.33) 4.77,41.25 SW11b2.2
sw15: length 12.8
  Bottom w0.2: D15.1 80.22,31.87 arc(80.44,32.2) 80.51,32.58 SW15b2.2 81.35,36.69 arc(82.06,36.99) 82.35,37.69 SW15.1
sw16: length 16.5
  Bottom w0.2: SW16.1 138.56,39.16 arc(138.78,38.84) 138.86,38.46 138.86,31.03 arc(138.93,30.64) 139.15,30.32 SW16b2.1 139,29.46 arc(138.62,29.54) 138.29,29.75 D16.1
sw20: length 31.7
  Bottom w0.2: SW20c2.1 217.23,56.38 arc(216.85,56.31) 216.53,56.09 213.9,53.46 arc(213.68,53.14) 213.6,52.76 SW20.1 213.3,44.9 D20.1 214.38,34.31 arc(214.7,34.1) 215.09,34.02 SW20b2.1
UDM: length 52.7
  Bottom w0.2: U1.15 113.55,22.16 arc(114.26,22.45) 114.55,23.16 114.55,38.62 arc(114.26,39.33) 113.55,39.62 113.53,39.62 arc(112.9,39.89) 112.63,40.52 112.63,46.09 arc(112.93,46.8) 113.63,47.09 113.73,47.09 arc(114.44,47.39) 114.73,48.09 114.73,64.85 arc(114.44,65.55) 113.73,65.85 113.7,65.85 arc(113,66.14) 112.7,66.85 U2.3
UDP: length 53.6
  Bottom w0.2: U1.14 114.45,21.51 arc(114.81,21.66) 114.95,22.01 114.95,39.78 arc(114.81,40.13) 114.45,40.28 R1.1 113.53,40.28 arc(113.18,40.42) 113.03,40.78 113.03,41.61 arc(113.11,41.99) 113.33,42.32 114.74,43.73 arc(114.96,44.06) 115.03,44.44 115.03,46 arc(115.11,46.38) 115.33,46.7 115.46,46.84 arc(115.68,47.16) 115.75,47.54 115.75,66.92 arc(115.46,67.63) 114.75,67.92 U2.1
Net-(D2-K): length 8.1
  Bottom w0.2: SW2.1 29.32,76.38 29.32,72.82 arc(29.25,72.44) 29.03,72.12 27.72,70.81 arc(27.4,70.59) 27.02,70.52 D2.1
Net-(D3-K): length 8.1
  Bottom w0.2: 45.7,72.92 46.5,72.92 arc(46.89,72.99) 47.21,73.21 48.52,74.52 arc(48.73,74.84) 48.81,75.22 48.81,78.78 48.6,78.99
Net-(D4-K): length 8.1
  Bottom w0.2: 64.03,65.87 64.84,65.87 arc(65.22,65.95) 65.55,66.17 66.85,67.47 arc(67.07,67.8) 67.15,68.18 67.15,71.74 66.93,71.95
Net-(D7-K): length 7.9
  Bottom w0.2: SW7.1 153.47,70.36 arc(153.69,70.04) 153.77,69.66 153.77,67.14 arc(153.69,66.76) 153.47,66.43 D7.1
Net-(D8-K): length 7.9
  Bottom w0.2: 171.15,78.09 171.81,77.43 arc(172.03,77.11) 172.1,76.72 172.1,74.21 arc(172.03,73.82) 171.81,73.5 169.8,71.49
Net-(D9-K): length 7.9
  Bottom w0.2: 190.64,75.69 191.3,75.03 arc(191.51,74.71) 191.59,74.32 191.59,71.81 arc(191.51,71.42) 191.3,71.1 189.29,69.09
Net-(D12-K): length 8.1
  Bottom w0.2: 26.79,57.68 27,57.47 27,53.92 arc(26.93,53.53) 26.71,53.21 25.4,51.9 arc(25.08,51.69) 24.7,51.61 23.89,51.61
Net-(D13-K): length 8.1
  Bottom w0.2: 46.28,60.09 46.49,59.88 46.49,56.32 arc(46.41,55.93) 46.2,55.61 44.89,54.3 arc(44.57,54.09) 44.18,54.01 43.38,54.01
Net-(D14-K): length 8.1
  Bottom w0.2: 64.61,53.04 64.82,52.83 64.82,49.27 arc(64.75,48.89) 64.53,48.56 63.23,47.26 arc(62.9,47.04) 62.52,46.97 61.71,46.97
Net-(D17-K): length 7.9
  Bottom w0.2: 153.78,45.5 155.79,47.51 arc(156,47.83) 156.08,48.21 156.08,50.73 arc(156,51.11) 155.79,51.44 155.13,52.09
Net-(D18-K): length 7.9
  Bottom w0.2: 173.46,59.16 174.12,58.5 arc(174.34,58.18) 174.41,57.8 174.41,55.28 arc(174.34,54.9) 174.12,54.57 172.12,52.57
Net-(D19-K): length 7.9
  Bottom w0.2: 192.95,56.76 193.61,56.11 arc(193.83,55.78) 193.9,55.4 193.9,52.88 arc(193.83,52.5) 193.61,52.17 191.6,50.17
Net-(D21-K): length 16.7
  Bottom w0.2: SW32.1 57.6,19.23 arc(57.52,19.62) 57.31,19.94 D21.1 53.96,22.08 arc(53.58,22) 53.26,21.79 SW32b2.1
Net-(D22-K): length 8.1
  Bottom w0.2: 24.47,38.78 24.68,38.56 24.68,35.01 arc(24.6,34.62) 24.38,34.3 23.08,32.99 arc(22.75,32.78) 22.37,32.7 21.57,32.7
Net-(D23-K): length 8.1
  Bottom w0.2: 43.95,41.18 44.17,40.97 44.17,37.41 arc(44.09,37.02) 43.87,36.7 42.57,35.39 arc(42.24,35.18) 41.86,35.1 41.06,35.1
Net-(D24-K): length 8.1
  Bottom w0.2: 59.39,28.06 60.19,28.06 arc(60.58,28.13) 60.9,28.35 62.21,29.66 arc(62.42,29.98) 62.5,30.36 62.5,33.92 62.29,34.13
Net-(D25-K): length 19.1
  Bottom w0.2: D25.1 157.79,18.53 arc(158.17,18.45) 158.5,18.23 SW35.1 163.01,15.45 arc(163.34,15.67) 163.72,15.75 SW35b2.1
Net-(D27-K): length 7.9
  Bottom w0.2: 156.11,26.58 158.11,28.59 arc(158.33,28.91) 158.41,29.29 158.41,31.81 arc(158.33,32.19) 158.11,32.52 157.46,33.17
Net-(D28-K): length 7.9
  Bottom w0.2: 175.79,40.24 176.45,39.58 arc(176.67,39.26) 176.74,38.88 176.74,36.36 arc(176.67,35.98) 176.45,35.65 174.44,33.65
Net-(D29-K): length 7.9
  Bottom w0.2: 195.28,37.84 195.94,37.19 arc(196.15,36.86) 196.23,36.48 196.23,33.96 arc(196.15,33.58) 195.94,33.25 193.93,31.25
Net-(D31-K): length 6.3
  Bottom w0.2: SW31.1 36.18,18.27 D31.1
Net-(D32-K): length 38.6
  Bottom w0.2: SW33c2.1 67.05,18.34 arc(67.35,19.05) 68.05,19.34 D32.1 79.46,21.3 arc(79.78,21.51) 80.16,21.59 84.91,21.59 arc(85.62,21.3) 85.91,20.59 SW33b2.1 85.73,17.94 85.73,7.02 SW33.1
Net-(D33-K): length 24.7
  Bottom w0.2: D33.1 151.74,11.74 ; 151.74,11.74 151.74,12.14 arc(151.45,12.84) 150.74,13.14 SW34c2.1 ; 151.74,11.74 151.74,9.33 arc(151.66,8.95) 151.45,8.62 150.98,8.15 arc(150.65,7.94) 150.27,7.86 SW34.1 148.2,7 arc(147.88,6.79) 147.49,6.71 144.27,6.71 arc(143.88,6.79) 143.56,7 142.62,7.94 arc(142.4,8.27) 142.33,8.65 SW34b2.1
Net-(D34-K): length 8
  Bottom w0.2: D34.1 178.34,21.86 arc(178.72,21.79) 179.04,21.57 SW36.1
Net-(D36-A): length 2.3
  Top w0.2: R2.2 D36.2
Net-(D37-A): length 2.4
  Bottom w0.4: F1.1 115.2,74.07 arc(114.91,73.36) 114.2,73.07 D37.2
Net-(JP2-B): length 2.2
  Top w0.2: v1(113.65,47.82) R2.1
  Bottom w0.2: JP2.2 v1(113.65,47.82)

## Copper pours and planes (outline as drawn; the poured copper is in the pictures)
GND on Top: -3.54,88.84 106.46,88.84 106.46,73.84 107.86,72.44 119.71,72.44 120.96,73.84 121.01,88.84 233.46,88.84 233.46,-5.16 -3.54,-5.16
GND on Top, Bottom: 106.76,85.59 106.76,73.89 107.96,72.69 119.56,72.69 120.61,73.74 120.61,85.49 120.51,85.59
GND on Top, Bottom: 111.03,73.07 111.03,71.82 113.63,71.82 113.73,71.92 113.73,73.07
GND on Bottom: -3.54,88.84 106.46,88.84 106.46,73.84 107.86,72.44 119.71,72.44 120.96,73.84 121.01,88.84 233.46,88.84 233.46,-5.16 -3.54,-5.16

## Text on the board
B.Silkscreen: Chiffchaff v0.1 / modified by apfel / based on Le Chiffre / by sporkus | JLCJLCJLCJLC
User.Comments: bot rst sw | top LED | 227.34 x 84.92mm
Top: 😎😎😎  😎   😎  😎😎😎  😎😎😎  😎😎😎 / 😎        😎😎😎     😎     😎😎     😎😎 / 😎😎😎  😎   😎  😎😎😎  😎        😎 / 😎😎😎  😎   😎  😎😎😎  😎😎😎  😎😎😎 / 😎        😎😎😎  😎😎😎  😎😎     😎😎 / 😎😎😎  😎   😎  😎   😎  😎        😎
F.Mask: 😎😎😎  😎   😎  😎😎😎  😎😎😎  😎😎😎 / 😎        😎😎😎     😎     😎😎     😎😎 / 😎😎😎  😎   😎  😎😎😎  😎        😎 / 😎😎😎  😎   😎  😎😎😎  😎😎😎  😎😎😎 / 😎        😎😎😎  😎😎😎  😎😎     😎😎 / 😎😎😎  😎   😎  😎   😎  😎        😎
